# Altium PCB Dashcam.PcbDoc (part 3 of 6)
Units mm, origin at the board's own origin, x right, y up, seen from the top; angles counter-clockwise.
Board outline 90.03 x 65.03 mm, 6 copper layers (TOP, L2_GND, L3_IN1, L4_POWER, L5_GND_2, BOTTOM), stack 1.128 mm thick; 287 components, 444 nets, 1760 pads, 0 vias.
Unrouted connection lines stored in the file: 908.
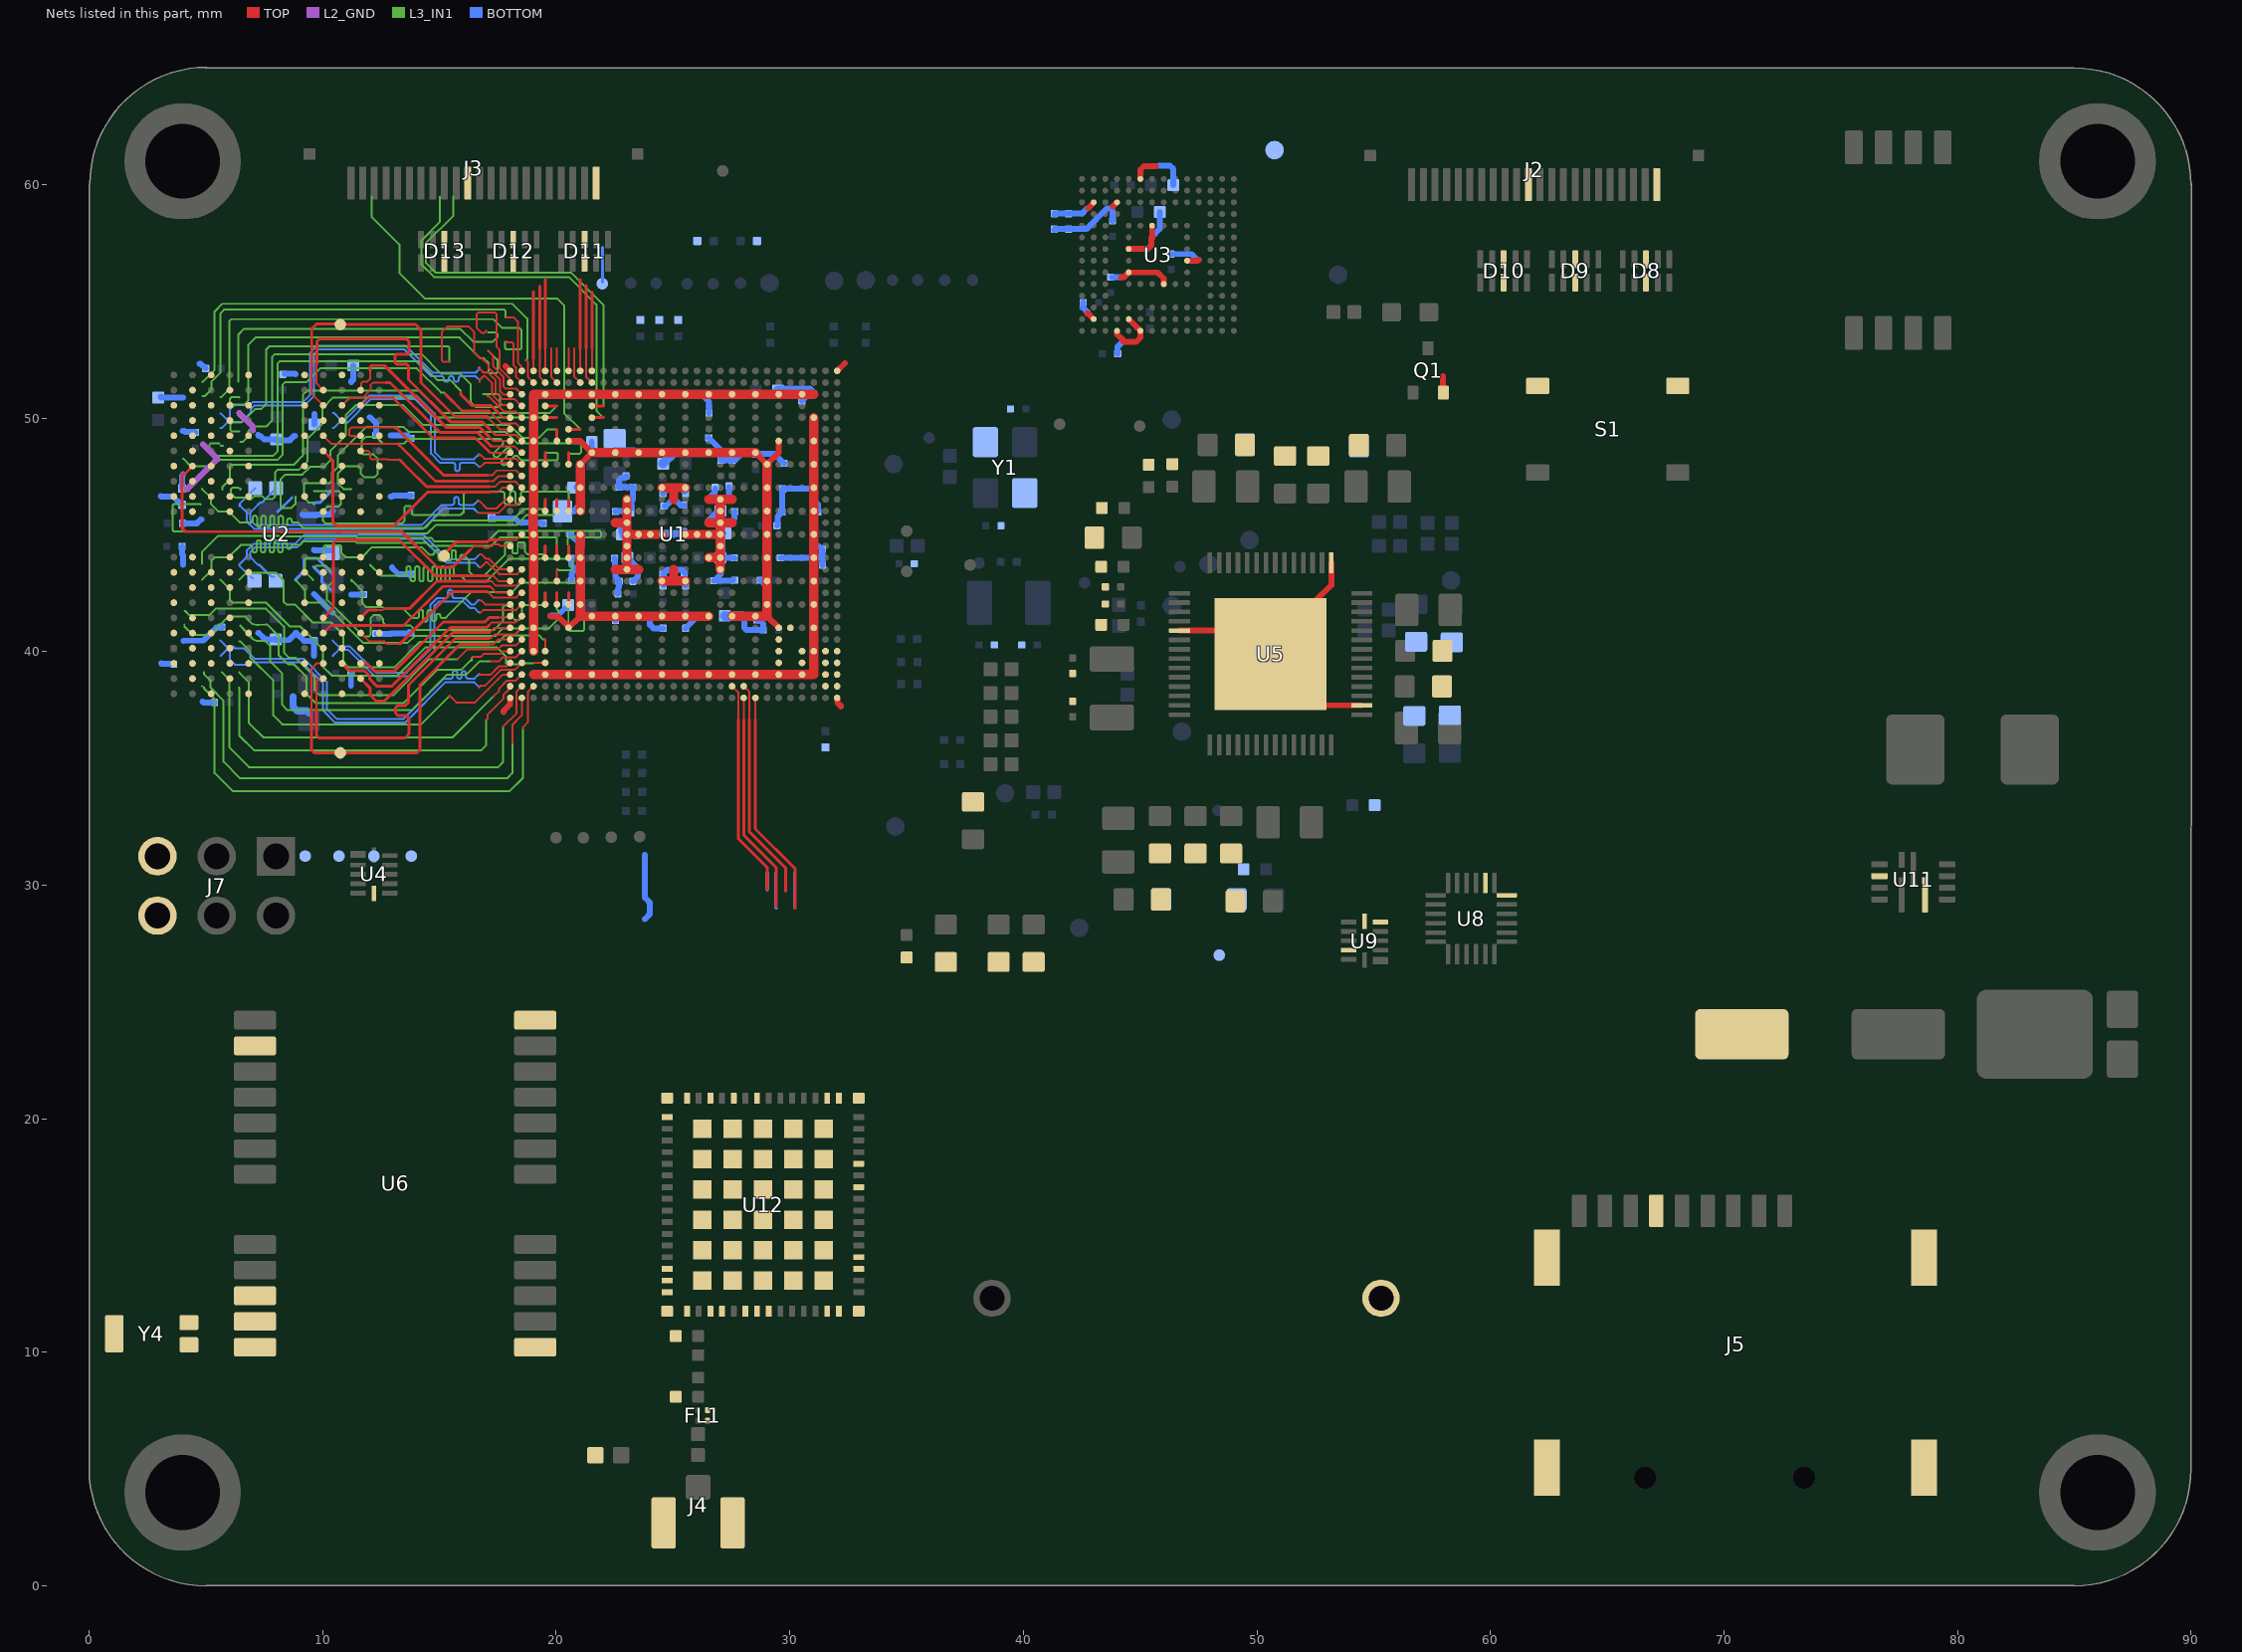
[diagram p7: the nets of this part, all layers, seen from the top]

## Nets (pads, with @x,y where several pads share a name; then routed paths per layer and width w, separated by ;. In a path a pad name is that pad's centre, name@x,y a point inside that pad or via, vN(x,y) a via of type N, cw(c..) or ccw(c..) an arc to the next point about the centre after c; other vN are vias at no path point) (continued)
DRAM_CA1_B: U1.W5 U2.J2 | length 17.2
  TOP w0.085: 20.028,43.525 20.028,43.036 U1.W5@20.052,43.012
  L3_IN1 w0.085: 12.028,43.725 12.487,43.266 13.448,43.266 13.49,43.266 ccw(c13.49,43.358) 13.583,43.358 13.583,43.566 cw(c13.675,43.566) 13.675,43.658 cw(c13.675,43.566) 13.768,43.566 13.768,43.104 ccw(c13.86,43.104) 13.86,43.012 ccw(c13.86,43.104) 13.953,43.104 13.953,43.566 cw(c14.045,43.566) 14.045,43.658 cw(c14.045,43.566) 14.138,43.566 14.138,43.104 ccw(c14.23,43.104) 14.23,43.012 ccw(c14.23,43.104) 14.323,43.104 14.323,43.566 cw(c14.415,43.566) 14.415,43.658 cw(c14.415,43.566) 14.508,43.566 14.508,43.104 ccw(c14.6,43.104) 14.6,43.012 ccw(c14.6,43.104) 14.693,43.104 14.693,43.566 cw(c14.785,43.566) 14.785,43.658 cw(c14.785,43.566) 14.878,43.566 14.878,43.104 ccw(c14.97,43.104) 14.97,43.012 ccw(c14.97,43.104) 15.063,43.104 15.063,43.566 cw(c15.155,43.566) 15.155,43.658 cw(c15.155,43.566) 15.248,43.566 15.248,43.104 ccw(c15.34,43.104) 15.34,43.012 ccw(c15.34,43.104) 15.433,43.104 15.433,43.566 cw(c15.525,43.566) 15.525,43.658 cw(c15.525,43.566) 15.618,43.566 15.618,43.358 ccw(c15.71,43.358) 15.71,43.266 15.861,43.266 15.912,43.266 16.184,42.994 16.986,42.994 17.969,43.977 20.611,43.977 20.687,43.901 20.687,43.571 20.605,43.489 20.108,43.489 20.052,43.545
DRAM_CA2_A: U1.E4 U2.R9 | length 19
  TOP w0.12: U1.E4@19.528,50.025 20.028,50.025
  L3_IN1 w0.085: 6.412,47 6.375,47.036 6.144,47.036 6.071,46.963 6.071,46.782 6.26,46.593 6.742,46.593 6.818,46.517 6.92,46.517 7.072,46.669 7.403,46.669 7.53,46.542 7.86,46.542 7.961,46.644 7.961,47.685 8.063,47.787 8.977,47.787 9.358,48.168 9.358,49.133 9.993,49.768 9.993,50.429 10.451,50.886 13.93,50.886 14.791,50.025 20.028,50.025 ; 6.463,46.949 6.489,46.975
DRAM_CA2_B: U1.AE4 U2.H9 | length 17.3
  TOP w0.085: 19.493,40.548 19.528,40.513 U1.AE4@19.528,40.025
  L3_IN1 w0.085: 6.428,43.075 6.746,43.393 7.987,43.393 8.317,43.063 8.317,42.148 8.444,42.021 8.8,42.021 9.562,41.259 10.349,41.259 10.882,40.726 10.882,39.557 11.111,39.329 13.067,39.329 14.159,40.421 17.537,40.421 17.817,40.7 19.266,40.7 19.441,40.525 19.528,40.525
DRAM_CA3_A: U1.D4 U2.R10 | length 19
  TOP w0.12: U1.D4@19.528,50.525 20.028,50.525
  L3_IN1 w0.085: 5.701,46.949 5.701,47.048 6.031,47.378 6.031,47.966 6.081,48.016 8.774,48.016 9.155,48.397 9.155,50.995 9.35,51.191 14.108,51.191 15.073,50.225 19.728,50.225 20.028,50.525
DRAM_CA3_B: U1.AF4 U2.H10 | length 17.3
  TOP w0.085: 19.068,39.525 U1.AF4@19.528,39.525
  L3_IN1 w0.085: 5.628,43.075 6.031,42.672 6.031,42.199 6.133,42.097 7.58,42.097 8.596,41.081 9.036,41.081 10.019,40.098 10.019,39.354 10.4,38.973 13.194,38.973 14.413,40.192 17.447,40.192 17.856,39.783 17.856,39.502 17.906,39.453 18.414,39.453 18.465,39.503 19.025,39.503
DRAM_CA4_A: U1.N4 U2.R11 | length 20.1
  TOP w0.12: U1.N4@19.528,46.025 19.528,46.525
  L3_IN1 w0.085: 4.828,46.975 5.218,46.585 5.218,46.314 5.523,46.009 5.98,46.009 6.463,45.526 6.869,45.526 6.912,45.526 ccw(c6.912,45.619) 7.004,45.619 7.004,45.733 cw(c7.097,45.733) 7.097,45.825 cw(c7.097,45.733) 7.189,45.733 7.189,45.43 ccw(c7.282,45.43) 7.282,45.338 ccw(c7.282,45.43) 7.374,45.43 7.374,45.733 cw(c7.467,45.733) 7.467,45.825 cw(c7.467,45.733) 7.559,45.733 7.559,45.43 ccw(c7.652,45.43) 7.652,45.338 ccw(c7.652,45.43) 7.744,45.43 7.744,45.733 cw(c7.837,45.733) 7.837,45.825 cw(c7.837,45.733) 7.929,45.733 7.929,45.43 ccw(c8.022,45.43) 8.022,45.338 ccw(c8.022,45.43) 8.114,45.43 8.114,45.733 cw(c8.207,45.733) 8.207,45.825 cw(c8.207,45.733) 8.299,45.733 8.299,45.453 ccw(c8.392,45.453) 8.392,45.361 ccw(c8.392,45.453) 8.484,45.453 8.484,45.619 cw(c8.577,45.619) 8.577,45.711 cw(c8.577,45.619) 8.669,45.619 ccw(c8.762,45.619) 8.762,45.526 8.952,45.526 9.177,45.302 14.384,45.302 14.692,45.61 18.104,45.61 18.604,46.111 19.469,46.111 19.518,46.16 19.518,46.441 ; 19.526,46.523 19.528,46.525
DRAM_CA4_B: U1.U5 U2.H11 | length 20.8
  TOP w0.12: U1.U5@20.028,44.025 20.028,44.525
  L3_IN1 w0.085: 4.828,43.075 5.244,43.491 5.244,43.901 5.396,44.053 5.98,44.053 6.514,44.587 6.666,44.587 6.894,44.587 cw(c6.894,44.494) 6.986,44.494 6.986,44.342 ccw(c7.079,44.342) 7.079,44.249 ccw(c7.079,44.342) 7.171,44.342 7.171,44.677 cw(c7.264,44.677) 7.264,44.77 cw(c7.264,44.677) 7.356,44.677 7.356,44.342 ccw(c7.449,44.342) 7.449,44.249 ccw(c7.449,44.342) 7.541,44.342 7.541,44.677 cw(c7.634,44.677) 7.634,44.77 cw(c7.634,44.677) 7.726,44.677 7.726,44.342 ccw(c7.819,44.342) 7.819,44.249 ccw(c7.819,44.342) 7.911,44.342 7.911,44.677 cw(c8.004,44.677) 8.004,44.77 cw(c8.004,44.677) 8.096,44.677 8.096,44.342 ccw(c8.189,44.342) 8.189,44.249 ccw(c8.189,44.342) 8.281,44.342 8.281,44.593 cw(c8.374,44.593) 8.374,44.686 cw(c8.374,44.593) 8.466,44.593 8.466,44.494 ccw(c8.559,44.494) 8.559,44.402 ccw(c8.559,44.494) 8.651,44.494 cw(c8.744,44.494) 8.744,44.587 8.969,44.587 9.046,44.587 9.195,44.736 11.389,44.736 11.466,44.66 14.453,44.66 14.576,44.536 17.232,44.536 17.588,44.891 19.976,44.891 20.026,44.841 20.026,44.526 20.028,44.525
DRAM_CA5_A: U1.N5 U2.P11 | length 20.2
  TOP w0.12: U1.N5@20.028,46.025 20.028,46.525
  L3_IN1 w0.085: 4.775,46.311 4.761,46.325 3.631,46.325 3.581,46.275 3.581,45.202 3.631,45.153 8.182,45.153 8.218,45.117 11.532,45.117 11.582,45.066 14.478,45.066 14.837,45.425 18.3,45.425 18.731,45.857 19.874,45.857 20.001,45.984 20.001,46.517
DRAM_CA5_B: U1.U6 U2.J11 | length 20.6
  TOP w0.12: U1.U6@20.528,44.025 20.528,44.525
  L3_IN1 w0.085: 4.837,43.774 4.837,44.282 5.51,44.955 8.118,44.955 8.141,44.932 11.455,44.932 11.506,44.881 14.636,44.881 14.797,44.721 17.062,44.721 17.509,45.168 21.87,45.168 21.92,45.118 21.92,44.938 21.87,44.888 20.549,44.888 20.498,44.837 20.498,44.583
DRAM_CK_A_N: R31.1 U1.V1 U2.J9 | length 14.3
  TOP w0.086: 16.721,44.162 16.808,44.162 16.991,43.979 17.121,43.979 17.575,43.525 U1.V1@18.028,43.525
  BOTTOM w0.086: R31.1@7.022,43.139 6.987,43.139 6.428,43.698 6.428,43.725 6.75,44.047 6.75,44.338 7.035,44.624 7.631,44.624 7.674,44.624 ccw(c7.674,44.717) 7.767,44.717 7.767,44.785 cw(c7.86,44.785) 7.953,44.785 7.953,44.717 ccw(c8.046,44.717) 8.046,44.624 8.214,44.624 8.819,44.624 9.192,44.997 14.333,44.997 15.362,43.968 16.517,43.968 16.71,44.162 16.721,44.162
DRAM_CK_A_P: R31.2 U1.V2 U2.J8 | length 14.3
  TOP w0.086: 16.728,43.618 16.781,43.618 16.984,43.821 17.058,43.821 17.552,43.327 18.33,43.327 U1.V2@18.528,43.525
  BOTTOM w0.086: 7.228,43.725 7.283,43.725 7.793,43.215 R31.2@7.911,43.215 ; 7.228,43.738 7.215,43.738 6.906,44.047 6.906,44.274 7.1,44.468 8.214,44.468 8.884,44.468 9.257,44.841 14.269,44.841 15.297,43.812 16.524,43.812 16.717,43.618 16.728,43.618
DRAM_CK_B_N: R32.1 U1.M2 U2.P9 | length 14.4
  TOP w0.086: 16.674,45.956 16.681,45.948 17.122,45.948 17.532,45.948 17.872,46.288 18.291,46.288 18.494,46.492 U1.M2@18.502,46.492
  BOTTOM w0.086: 6.437,46.315 6.437,46.333 7.104,47 R32.1@7.105,47 ; 6.466,46.286 6.428,46.248 6.466,46.248 6.75,45.964 6.75,45.578 7.064,45.264 14.295,45.264 15.163,46.132 15.816,46.132 16.463,46.132 16.64,45.956 16.674,45.956
DRAM_CK_B_P: R32.2 U1.M1 U2.P8 | length 14.3
  TOP w0.086: 16.674,46.462 16.703,46.462 17.032,46.133 17.097,46.133 17.122,46.133 17.432,46.133 17.809,46.509 U1.M1@18.038,46.509
  BOTTOM w0.086: 7.244,46.308 7.228,46.324 7.228,46.286 6.906,45.964 6.906,45.642 7.128,45.42 14.23,45.42 15.099,46.288 15.377,46.288 15.42,46.288 15.539,46.288 ccw(c15.539,46.381) 15.632,46.381 15.632,46.531 cw(c15.725,46.531) 15.818,46.531 15.818,46.381 ccw(c15.911,46.381) 15.911,46.288 16.097,46.288 16.14,46.288 16.463,46.288 16.637,46.462 16.674,46.462 ; 7.25,46.314 7.323,46.386 7.392,46.386 R32.2@8.005,47
DRAM_CKE0_A: U1.J6 U2.P4 | length 17.2
  TOP w0.12: U1.J6@20.528,48.025 20.528,48.525
  L3_IN1 w0.085: 9.628,46.329 9.566,46.39 9.394,46.39 9.206,46.579 9.206,47.177 9.257,47.228 10.298,47.228 10.4,47.33 10.4,47.66 10.654,47.914 10.654,48.422 11.853,49.621 13.468,49.621 13.676,49.413 17.842,49.413 18.325,48.93 20.966,48.93 21.068,48.828 21.068,48.549 20.992,48.473 20.585,48.473 20.56,48.498
  BOTTOM w0.129: 9.628,46.329 9.68,46.382 9.866,46.382 10.425,46.942
DRAM_CKE0_B: U1.AA4 U2.J4 | length 17.5
  TOP w0.12: U1.AA4@19.528,42.025 19.528,42.525
  L3_IN1 w0.085: 9.663,43.621 9.714,43.672 10.146,43.672 10.451,43.367 10.451,43.012 10.171,42.732 10.171,42.25 11.771,40.65 11.975,40.65 12.051,40.726 12.051,41.437 12.178,41.564 12.432,41.564 12.584,41.412 12.584,41.259 12.711,41.132 13.753,41.132 13.956,40.929 17.334,40.929 17.715,41.31 17.715,41.92 17.766,41.97 18.072,41.97 18.121,41.921 18.121,41.462 18.223,41.361 18.426,41.361 18.528,41.462 18.528,41.92 18.604,41.996 19.469,41.996 19.518,42.046 19.518,42.478 19.544,42.504
  BOTTOM w0.129: 9.615,43.632 9.961,43.286 9.961,42.991 10.092,42.859 10.139,42.859 10.367,42.631 10.374,42.631
DRAM_CKE1_A: U1.G5 U2.P5 | length 18.2
  TOP w0.12: U1.G5@20.028,49.025 20.028,49.525
  L3_IN1 w0.085: 8.828,46.65 8.828,46.325 8.661,46.158 8.24,46.158 8.19,46.208 8.19,47.381 8.393,47.584 9.13,47.584 9.465,47.919 10.049,47.919 10.324,48.193 10.324,48.6 10.984,49.26 10.984,50.124 11.416,50.556 13.448,50.556 14.286,49.717 17.097,49.717 17.122,49.717 17.994,49.717 18.553,49.159 19.264,49.159 19.631,49.525 20.028,49.525
  BOTTOM w0.129: 8.063,46.009 8.096,46.009 8.684,46.597
DRAM_CKE1_B: U1.AA5 U2.J5 | length 17.3
  TOP w0.12: U1.AA5@20.028,42.025 20.028,42.525
  L3_IN1 w0.085: 8.828,43.075 9.231,42.671 9.231,42.25 9.384,42.097 10.019,42.097 11.746,40.37 13.626,40.37 13.93,40.675 17.385,40.675 17.715,41.005 19.696,41.005 20.118,41.427 20.118,41.722 20.028,41.813 20.028,42.525
  BOTTOM w0.129: 8.828,43.075 9.206,43.453 9.206,43.925 9.282,44 9.766,44 9.981,43.785 9.981,43.768 10.425,43.324
DRAM_DATA0_A: U1.B3 U2.AA11 | length 19.9
  TOP w0.085: 18.706,52.486 18.782,52.41 18.782,51.771 U1.B3@19.028,51.525
  L3_IN1 w0.085: 4.863,51.546 4.863,51.56 5.371,52.068 5.371,54.569 5.701,54.899 18.121,54.899 18.756,54.264 18.756,52.99 18.756,52.537 18.737,52.517 18.732,52.513 18.706,52.486
DRAM_DATA0_B: U1.AC1 U2.B2 | length 8.3
  TOP w0.085: 17.141,40.82 17.346,41.025 U1.AC1@18.028,41.025
  TOP w0.127: U2.B2@11.628,38.85 11.628,38.847 12.025,38.449 12.025,38.159 12.293,37.89 12.644,37.89 15.574,40.82 17.141,40.82
DRAM_DATA1_A: U1.A2 U2.Y11 | length 19.2
  TOP w0.085: 17.868,54.314 18.173,54.314 18.353,54.134 18.353,52.517 18.353,52.513 18.353,52.382 18.511,52.223 18.511,52.042 U1.A2@18.528,52.025
  L3_IN1 w0.085: 4.863,50.937 4.939,50.937 5.244,51.241 5.244,51.572 5.625,51.953 5.625,54.493 5.777,54.645 17.775,54.645 17.825,54.595 17.825,54.332 17.842,54.315
DRAM_DATA1_B: U1.AB1 U2.C2 | length 7.5
  TOP w0.085: 17.502,41.465 17.808,41.465 17.837,41.494 17.997,41.494 U1.AB1@18.028,41.525
  TOP w0.127: U2.C2@11.628,39.5 11.634,39.507 11.876,39.507 12.223,39.16 13.05,39.16 15.164,41.274 16.944,41.274 17.135,41.465 17.502,41.465
DRAM_DATA2_A: U1.E1 U2.V11 | length 18.8
  TOP w0.085: 17.097,50.557 17.155,50.557 ; 17.502,50.251 17.728,50.025 18.017,50.025 U1.E1@18.02,50.022
  TOP w0.127: 15.912,51.089 15.912,51.016 16.389,50.54 17.214,50.54 17.502,50.251
  L3_IN1 w0.085: 5.574,48.905 5.553,48.925 5.213,48.925 5.142,48.854 5.142,48.524 5.269,48.397 7.885,48.397 8.063,48.574 8.063,52.334 8.165,52.435 14.108,52.435 14.921,51.622 15.465,51.622 15.912,51.176 15.912,51.089 ; 5.642,48.82 5.733,48.82
DRAM_DATA2_B: U1.W2 U2.F2 | length 7.7
  TOP w0.085: 12.279,41.793 12.559,41.793 12.61,41.843 13.397,41.843 ; 17.097,43.025 17.223,43.025 17.42,42.828 17.502,42.828 18.286,42.828 18.484,43.025 U1.W2@18.528,43.025
  TOP w0.127: U2.F2@11.628,41.45 11.97,41.793 12.279,41.793 ; 13.397,41.843 13.702,41.843 14.883,43.025 17.097,43.025
DRAM_DATA3_A: U1.F2 U2.U11 | length 19.2
  TOP w0.085: 15.251,51.038 15.286,51.004 ; 17.12,50.313 17.502,49.93 17.664,49.768 18.285,49.768 U1.F2@18.528,49.525
  TOP w0.127: 15.286,51.004 15.977,50.313 17.12,50.313
  L3_IN1 w0.085: 4.024,48.27 4.033,48.27 4.363,47.939 5.142,47.939 5.414,48.212 8.056,48.212 8.292,48.447 8.292,51.445 8.393,51.546 9.308,51.546 9.892,52.13 14.032,52.13 15.063,51.1 15.19,51.1 15.251,51.038
DRAM_DATA3_B: U1.Y2 U2.E2 | length 8.2
  TOP w0.085: U2.E2@11.628,40.8 11.981,40.446 12.635,40.446 12.737,40.345 13.321,40.345 ; 17.097,42.536 17.305,42.328 18.286,42.328 18.484,42.525 U1.Y2@18.528,42.525
  TOP w0.127: 13.321,40.345 15.547,42.571 17.062,42.571 17.097,42.536
DRAM_DATA4_A: U1.E2 U2.U9 | length 18.9
  TOP w0.085: 17.04,50.951 17.093,50.951 17.502,50.542 17.769,50.276 18.277,50.276 U1.E2@18.528,50.025
  L3_IN1 w0.085: 6.463,48.981 6.564,48.981 6.818,49.235 6.818,49.463 6.996,49.641 7.58,49.641 7.834,49.895 7.834,52.613 7.961,52.74 14.235,52.74 15.073,51.902 15.893,51.902 16.343,51.451 16.343,50.683 16.547,50.479 17.097,50.479 17.538,50.479 17.588,50.529 17.588,50.962 17.512,51.038 17.122,51.038 17.097,51.038 16.877,51.038
DRAM_DATA4_B: U1.Y1 U2.E4 | length 8.9
  TOP w0.085: 17.097,42.798 17.167,42.798 17.44,42.525 U1.Y1@18.028,42.525
  TOP w0.127: U2.E4@10.028,40.8 10.349,41.121 13.462,41.121 15.139,42.798 17.097,42.798
DRAM_DATA5_A: U1.C1 U2.V9 | length 20.1
  TOP w0.085: 15.412,52.427 15.149,52.427 15.099,52.477 15.099,53.68 15.353,53.934 16.242,53.934 16.496,53.68 16.496,52.816 16.724,52.588 16.801,52.588 17.112,52.276 17.112,52.145 17.502,51.755 17.588,51.67 17.588,51.161 17.736,51.013 18.016,51.013 U1.C1@18.028,51.025
  L3_IN1 w0.085: 6.437,49.438 6.107,49.438 6.056,49.489 6.056,49.743 6.158,49.844 6.564,49.844 7.123,50.403 7.377,50.403 7.58,50.606 7.58,52.943 7.707,53.07 15.379,53.07 15.429,53.02 15.429,52.41
DRAM_DATA5_B: U1.W1 U2.F4 | length 11.7
  TOP w0.085: 17.097,43.252 17.122,43.252 17.297,43.252 17.524,43.025 U1.W1@18.028,43.025
  TOP w0.127: U2.F4@10.07,41.437 10.07,41.492 10.451,41.873 10.451,44.637 10.604,44.791 13.269,44.791 14.808,43.252 17.097,43.252
DRAM_DATA6_A: U1.C2 U2.Y9 | length 19.3
  TOP w0.085: 17.105,52.867 17.297,52.675 17.297,52.222 17.502,52.017 17.74,51.779 17.74,51.368 17.842,51.267 18.286,51.267 U1.C2@18.528,51.025
  L3_IN1 w0.085: 6.437,50.886 6.421,50.902 6.097,50.902 6.031,50.836 6.031,50.708 6.158,50.581 6.641,50.581 6.818,50.759 6.818,53.146 7.123,53.451 15.861,53.451 16.75,52.562 16.902,52.562 17.105,52.359 17.105,51.977 17.122,51.96 17.155,51.927 17.437,51.927 17.486,51.977 17.486,52.487 17.315,52.659 ; 17.08,52.892 17.314,52.659
DRAM_DATA6_B: U1.AC2 U2.B4 | length 15.6
  TOP w0.085: 9.739,37.551 9.739,38.084 9.735,38.088 9.735,38.757 9.789,38.81 9.988,38.81 U2.B4@10.028,38.85 ; 17.122,40.57 17.182,40.57 17.363,40.751 17.502,40.751 18.254,40.751 U1.AC2@18.528,41.025
  TOP w0.127: 9.739,37.551 9.739,36.408 9.841,36.306 13.524,36.306 13.676,36.459 ; 13.676,36.484 13.702,36.509 13.702,37.144 13.575,37.271 13.219,37.271 13.118,37.373 13.118,37.602 13.219,37.703 13.549,37.703 13.676,37.83 13.676,38.567 15.68,40.57 17.097,40.57 17.122,40.57
DRAM_DATA7_A: U1.B1 U2.AA9 | length 19.3
  TOP w0.085: 17.004,53.756 17.004,53.728 16.932,53.656 16.799,53.656 16.597,53.858 16.597,54.468 16.647,54.518 17.386,54.518 17.436,54.468 17.436,53.07 17.568,52.938 17.568,52.517 17.568,52.513 17.568,52.151 17.989,51.73 17.989,51.564 U1.B1@18.028,51.525
  L3_IN1 w0.085: 6.387,51.572 6.387,53.578 6.641,53.832 15.886,53.832 16.445,53.273 17.283,53.273 17.486,53.477 17.486,53.605 17.411,53.68 17.08,53.68
DRAM_DATA7_B: TP22.1 U1.AD1 U2.C4 | length 16.3
  TOP w0.085: 9.512,37.551 9.523,37.561 9.523,39.29 9.733,39.5 U2.C4@10.028,39.5 ; 17.122,40.316 17.297,40.316 17.506,40.525 U1.AD1@18.028,40.525
  TOP w0.127: 9.512,37.551 9.512,35.797 9.638,35.671 TP22.1@10.755,35.671 14.032,35.671 14.159,35.798 14.159,38.592 15.883,40.316 17.122,40.316
DRAM_DATA8_A: U1.G1 U2.AA2 | length 8.6
  TOP w0.085: U2.AA2@11.644,51.267 11.644,51.495 11.721,51.572 11.924,51.572 12.025,51.673 12.025,52.029 ; 17.097,49.236 17.308,49.025 U1.G1@18.028,49.025
  TOP w0.127: 12.025,52.029 12.025,52.183 12.1,52.257 12.635,52.257 15.278,49.614 16.719,49.614 17.097,49.236
DRAM_DATA8_B: U1.AH3 U2.B11 | length 21.8
  TOP w0.085: 18.579,36.713 18.579,36.774 18.782,36.977 18.782,38.279 U1.AH3@19.028,38.525
  L3_IN1 w0.085: 4.913,38.491 4.913,38.439 5.371,37.982 5.371,34.808 6.158,34.02 17.994,34.02 18.579,34.604 18.579,36.713
DRAM_DATA9_A: U1.H1 U2.Y2 | length 7.5
  TOP w0.085: U2.Y2@11.644,50.581 11.678,50.581 11.983,50.886 12.991,50.886 ; 17.122,48.569 17.166,48.525 U1.H1@18.028,48.525
  TOP w0.127: 12.991,50.886 14.718,49.159 16.532,49.159 17.122,48.569
DRAM_DATA9_B: U1.AJ2 U2.C11 | length 20.3
  TOP w0.085: 18.121,36.107 18.121,36.865 18.528,37.271 U1.AJ2@18.528,38.025
  L3_IN1 w0.085: 4.913,39.125 4.913,39.05 5.193,38.77 5.193,38.465 5.752,37.906 5.752,35.29 6.463,34.579 17.893,34.579 18.121,34.808 18.121,36.103
DRAM_DATA10_A: U1.K1 U2.V4 | length 8.8
  TOP w0.085: U2.V4@10.028,49.25 10.368,48.91 13.214,48.91 13.219,48.905 ; 17.073,47.304 17.309,47.304 17.529,47.525 17.936,47.525 U1.K1@17.944,47.533
  TOP w0.127: 13.219,48.905 13.418,48.706 14.819,47.304 15.048,47.304 17.073,47.304
DRAM_DATA10_B: U1.AE1 U2.E11 | length 18
  TOP w0.085: 16.4,39.756 16.418,39.775 16.765,39.775 16.907,39.917 17.502,39.917 17.61,39.917 17.717,40.025 U1.AE1@18.028,40.025
  L3_IN1 w0.085: 4.075,41.158 4.075,41.081 4.431,40.726 5.193,40.726 5.98,41.513 6.666,41.513 6.997,41.182 7.178,41.156 ccw(c7.228,41.498) 7.233,41.152 7.561,41.158 7.631,41.158 8.114,40.675 8.114,39.862 8.52,39.456 8.774,39.456 9.308,38.922 9.308,38.186 9.689,37.805 13.473,37.805 14.896,39.227 15.924,39.227 16.383,39.686 16.383,39.707 ; 16.385,39.616 16.388,39.646 16.394,39.705 16.4,39.756
DRAM_DATA11_A: U1.K2 U2.V2 | length 9.2
  TOP w0.085: U2.V2@11.619,49.235 11.604,49.25 11.171,49.25 11.136,49.285 11.136,49.514 11.223,49.601 13.056,49.601 13.067,49.59 ; 17.058,47.558 17.258,47.558 17.461,47.762 18.291,47.762 U1.K2@18.52,47.533
  TOP w0.127: 13.067,49.59 13.143,49.59 15.175,47.558 15.637,47.558 17.058,47.558
DRAM_DATA11_B: U1.AD2 U2.F11 | length 18.2
  TOP w0.085: 15.764,39.679 16.192,40.107 17.502,40.107 17.664,40.269 18.271,40.269 U1.AD2@18.528,40.525
  L3_IN1 w0.085: 4.075,41.742 4.112,41.742 4.29,41.564 5.142,41.564 5.421,41.843 7.573,41.843 8.342,41.074 8.342,39.964 8.571,39.735 8.85,39.735 9.638,38.948 9.638,38.364 9.866,38.135 13.016,38.135 14.565,39.684 15.759,39.684 15.764,39.679
DRAM_DATA12_A: U1.L2 U2.U2 | length 7.8
  TOP w0.085: U2.U2@11.67,48.6 11.949,48.6 12.025,48.524 12.025,48.294 12.075,48.244 12.813,48.244 12.838,48.219 13.225,48.219 13.295,48.219 ; 17.122,47.067 17.376,47.067 17.588,47.279 18.274,47.279 U1.L2@18.528,47.025
  TOP w0.127: 13.295,48.219 13.694,47.82 14.447,47.067 14.687,47.067 17.122,47.067
DRAM_DATA12_B: U1.AE2 U2.F9 | length 15.8
  TOP w0.085: 17.207,39.572 17.218,39.583 17.502,39.583 17.538,39.583 17.715,39.761 18.263,39.761 U1.AE2@18.528,40.025
  L3_IN1 w0.085: 6.463,41.125 6.982,40.571 ccw(c7.234,40.807) 7.242,40.462 7.464,40.467 7.535,40.467 7.758,40.243 7.758,39.583 8.266,39.075 8.266,37.729 8.495,37.5 13.803,37.5 15.324,39.021 16.153,39.021 16.715,39.583 17.196,39.583 17.207,39.572
DRAM_DATA13_A: U1.L1 U2.U4 | length 11.5
  TOP w0.085: 17.122,46.84 17.505,46.84 17.69,47.025 U1.L1@18.028,47.025
  TOP w0.127: U2.U4@10.028,48.6 10.425,48.203 10.425,45.563 10.592,45.396 13.056,45.396 14.5,46.84 17.097,46.84 17.122,46.84
DRAM_DATA13_B: U1.AG1 U2.E9 | length 15.2
  TOP w0.085: 15.429,38.12 15.722,37.827 16.518,37.827 17.097,38.406 17.122,38.431 17.716,39.025 U1.AG1@18.028,39.025
  L3_IN1 w0.085: 6.437,40.446 6.469,40.446 6.895,40.021 6.895,39.761 7.885,38.77 7.885,37.271 8.266,36.89 14.21,36.89 15.429,38.11
DRAM_DATA14_A: U1.G2 U2.AA4 | length 14.8
  TOP w0.085: 9.756,52.334 9.735,52.313 9.735,51.493 U2.AA4@10.028,51.2 ; 17.122,49.555 17.392,49.286 18.267,49.286 18.496,49.057 U1.G2@18.528,49.057
  TOP w0.127: 9.756,52.334 9.756,53.29 9.866,53.4 13.575,53.4 13.702,53.273 13.702,52.814 13.627,52.74 13.167,52.74 13.092,52.666 13.092,52.383 13.167,52.308 13.602,52.308 13.676,52.234 13.676,51.648 15.478,49.846 16.831,49.846 17.122,49.555
DRAM_DATA14_B: U1.AG2 U2.C9 | length 15.5
  TOP w0.085: 17.309,38.084 17.555,38.331 17.555,38.432 17.893,38.77 18.273,38.77 U1.AG2@18.528,39.025
  L3_IN1 w0.085: 6.437,39.126 6.437,39.094 6.844,38.688 6.844,36.941 7.453,36.332 15.556,36.332 17.309,38.084
DRAM_DATA15_A: TP23.1 U1.F1 U2.Y4 | length 15.2
  TOP w0.085: 9.529,52.257 9.529,51.049 U2.Y4@10.028,50.55 ; 17.122,49.98 17.577,49.525 U1.F1@18.028,49.525
  TOP w0.127: 9.529,52.257 9.529,53.825 9.739,54.035 10.73,54.035 TP23.1@10.755,54.01 13.981,54.01 14.21,53.781 14.21,51.521 15.658,50.073 17.029,50.073 17.105,49.997